# Altium PCB Cymometer.PcbDoc (part 1 of 2) (continued)
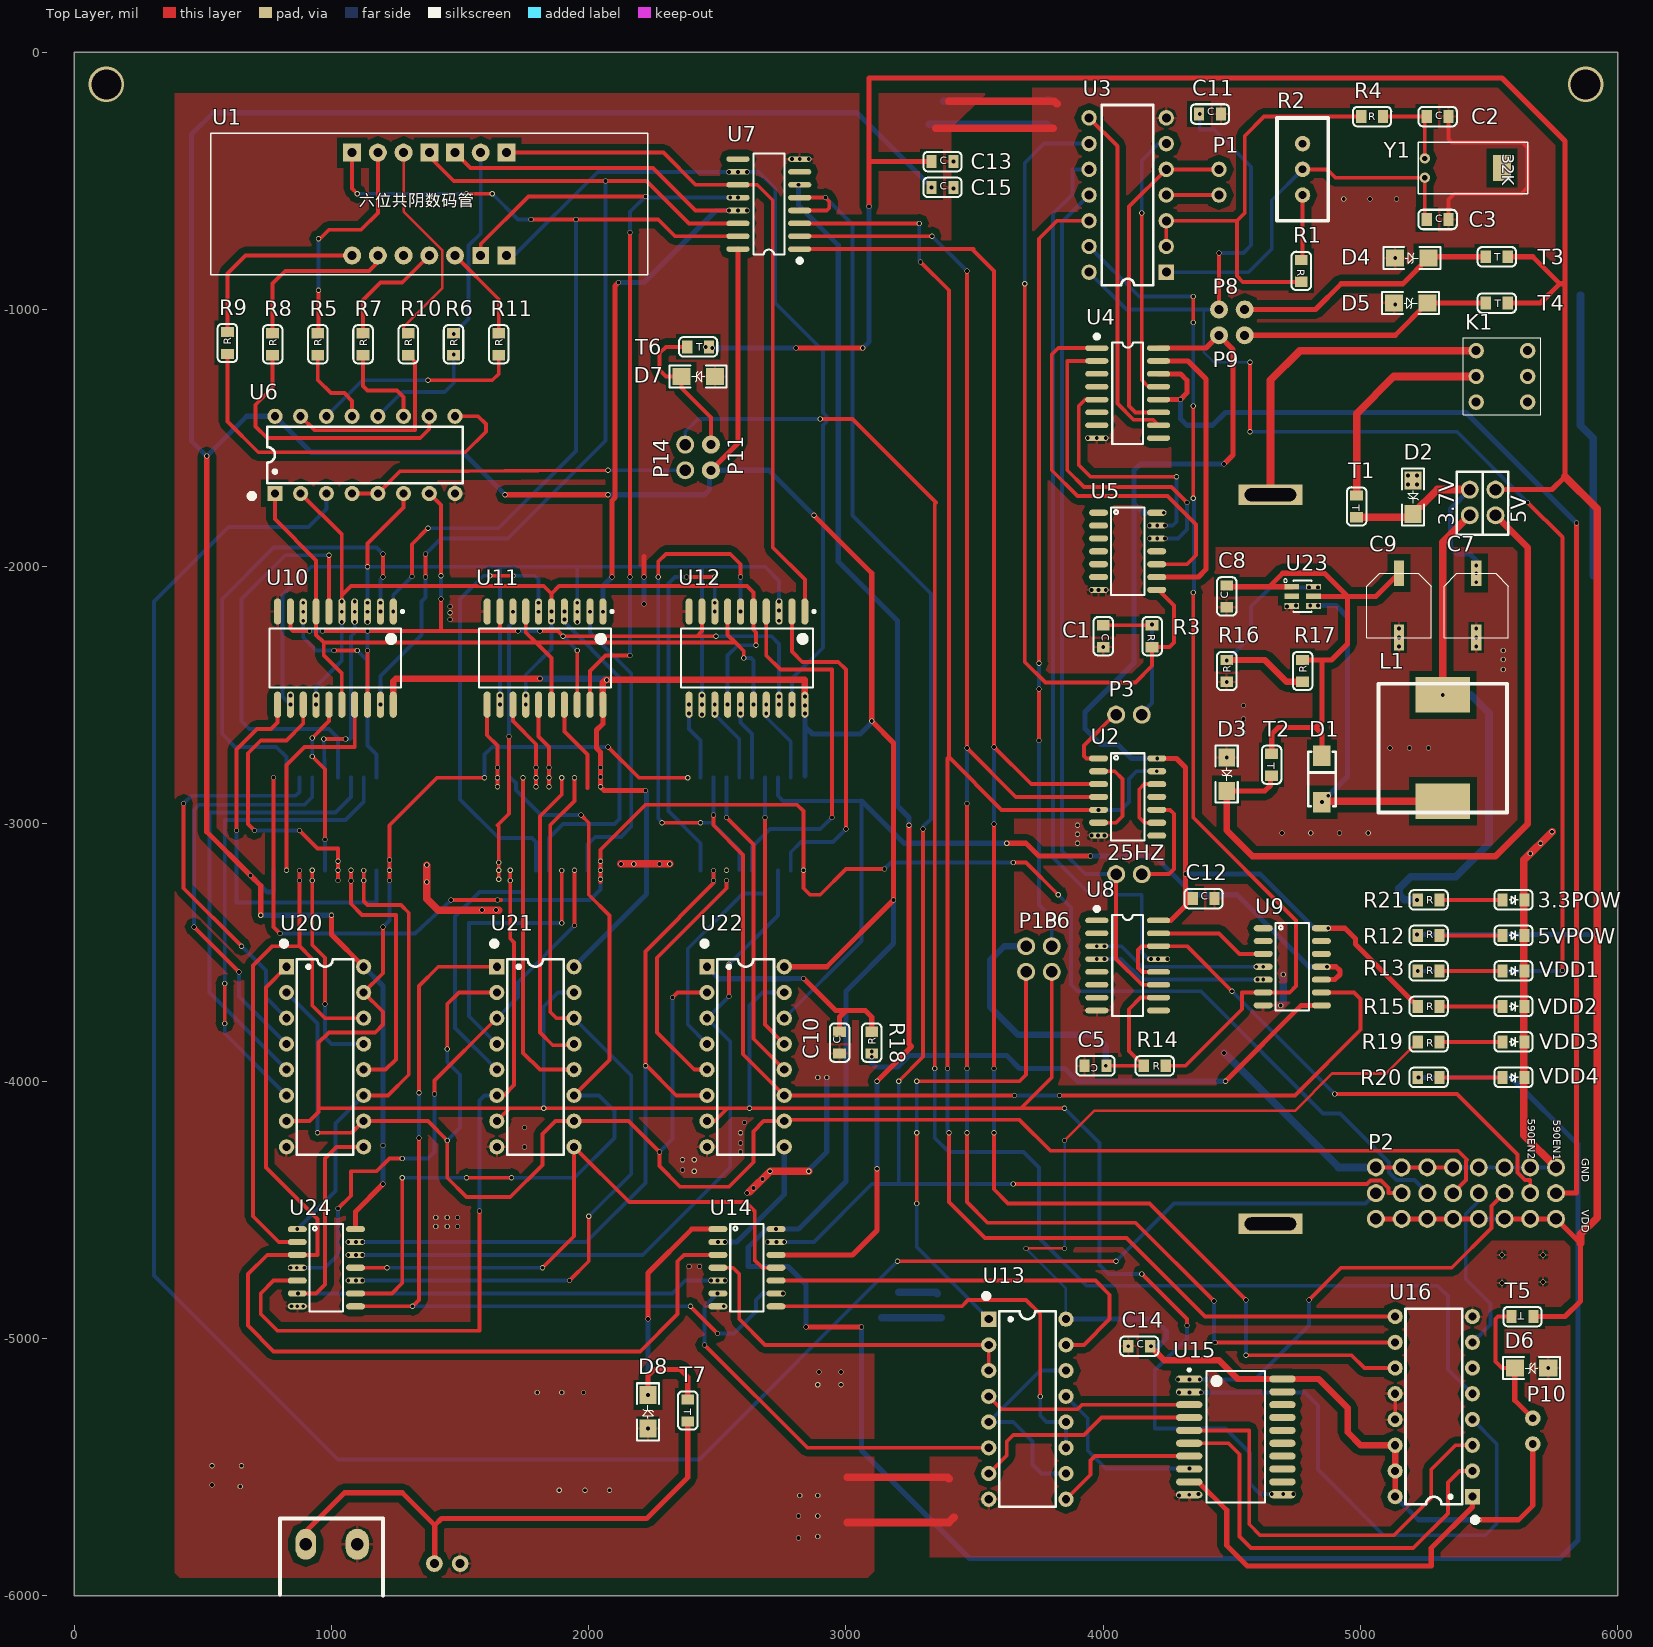
[diagram p0: Top Layer view]
## Footprints (in the part's own frame and the unit in brackets; to place one, negate y for a bottom-side part, rotate by r counter-clockwise, add the part's x,y. Pads: shape width x height; smd on the part's side, far side on the other; paste and mask are expansions set on the pad)
1N5819(SMA) [mm]
  rect 2x1.75 smd: A(-2.3,0) K(2.3,0)
  silkscreen extent -2.7,-1.35 2.7,1.35, body extent -2.5,-1.34 2.61,1.33, height 2.12
2P#1 [mil]
  round 70 hole 45: 1(-50,0) 2(50,0)
2P#2 [mil]
  round 60 hole 35: 1(-50,0) 2(50,0)
2P#3 [mil]
  round 70 hole 35: 1(-50,0) 2(50,0)
2P#4 [mil]
  round 60 hole 30: 1(-50,0) 2(50,0)
3P*8 [mil]
  round 70 hole 45: 1(-100,350) 2(-100,250) 3(-100,150) 4(-100,50) 5(-100,-50) 6(-100,-150) 7(-100,-250) 8(-100,-350) 9(0,-350) 10(0,-250) 11(0,-150) 12(0,-50) 13(0,50) 14(0,150) 15(0,250) 16(0,350) 17(100,350) 18(100,250) 19(100,150) 20(100,50) 21(100,-50) 22(100,-150) 23(100,-250) 24(100,-350)
6BIT_SEG [mil]
  round 70 hole 35: 1(-300,-200) 2(-200,-200) 3(-100,-200) 4(0,-200) 5(100,-200) 9(200,200) 12(-100,200) 13(-200,200)
  rect 65x65 hole 35: 6(200,-200)
  rect 70x70 hole 35: 7(300,-200) 8(300,200) 10(100,200) 11(0,200) 14(-300,200)
  silkscreen extent -850,-275 850,275
0805LED [mil]
  rect 40x50 smd: A(-42.5,0) K(42.5,0)
  silkscreen extent -75,-38 75,38
0805R [mil]
  rect 40x50 smd: 1(-42.5,0) 2(42.5,0)
  silkscreen extent -75,-38 75,38, body extent -39,-25 40,25, height 30
0805T [mil]
  rect 40x50 smd: 1(-32.5,5) 2(52.5,5)
  silkscreen extent -65,-33 85,43, body extent -29,-20 50,30, height 30
1206稳压管 [mil]
  rect 70x65 smd: A(-65,0) K(65,0)
  silkscreen extent -111,-43 111,43
Battry [mil]
  rect 80x250 hole 50 slot 200 at 90 deg: 1(0,0) 2(2834.65,0)
Cap1 [mil]
  rect 40x50 smd: 1(-42.5,0) 2(42.5,0)
  silkscreen extent -75,-38 75,38, body extent -39,-25 39,25, height 30
Cap2 [mil]
  rect 100x40 smd: A(125,0) K(-125,0)
  silkscreen extent -125,-125 125,125
CRYSTAL [mil]
  round 40 hole 20: 1(-37.5,0) 2(37.5,0)
  silkscreen extent -100,-25 100,400
DIP14 [mil]
  rect 60x60 hole 35: 1(-150,300)
  round 60 hole 35: 2(-150,200) 3(-150,100) 4(-150,0) 5(-150,-100) 6(-150,-200) 7(-150,-300) 8(150,-300) 9(150,-200) 10(150,-100) 11(150,0) 12(150,100) 13(150,200) 14(150,300)
  silkscreen extent -100,-350 100,350
DIP16 [mm]
  rect 1.5x1.5 hole 0.8: 1(-3.81,8.89)
  round 1.5 hole 0.8: 2(-3.81,6.35) 3(-3.81,3.81) 4(-3.81,1.27) 5(-3.81,-1.27) 6(-3.81,-3.81) 7(-3.81,-6.35) 8(-3.81,-8.89) 9(3.81,-8.89) 10(3.81,-6.35) 11(3.81,-3.81) 12(3.81,-1.27) 13(3.81,1.27) 14(3.81,3.81) 15(3.81,6.35) 16(3.81,8.89)
  silkscreen extent -4.32,-9.65 2.79,11.43, body extent -3.93,-9.65 3.92,9.65, height 4.5
FIBER [mm]
  rect 5.4x3.5 smd: 1(0,5.25) 2(0,-5.25)
  silkscreen extent -6.35,-6.35 6.35,6.35
Res2 [mil]
  round 60 hole 30: 1(-100,0) 2(100,0) 3(0,0)
  silkscreen extent -200,-100 200,100
SOP14 [mil]
  oval 74x24 smd: 1(-113,150) 2(-113,100) 3(-113,50) 4(-113,0) 5(-113,-50) 6(-113,-100) 7(-113,-150) 8(113,-150) 9(113,-100) 10(113,-50) 11(113,0) 12(113,50) 13(113,100) 14(113,150)
  silkscreen extent -65,-170 65,170, body extent -118,-171 118,171, height 61
SOP16 [mil]
  oval 90x21.65 smd: 1(-120,175) 2(-120,125) 3(-120,75) 4(-120,25) 5(-120,-25) 6(-120,-75) 7(-120,-125) 8(-120,-175) 9(120,-175) 10(120,-125) 11(120,-75) 12(120,-25) 13(120,25) 14(120,75) 15(120,125) 16(120,175)
  silkscreen extent -126,-197 60,226, body extent -118,-197 118,197, height 75
SOP20 [mm]
  oval 2.6x0.7 smd: 1(-4.6,5.715) 2(-4.6,4.445) 3(-4.6,3.175) 4(-4.6,1.905) 5(-4.6,0.635) 6(-4.6,-0.635) 7(-4.6,-1.905) 8(-4.6,-3.175) 9(-4.6,-4.445) 10(-4.6,-5.715) 11(4.6,-5.715) 12(4.6,-4.445) 13(4.6,-3.175) 14(4.6,-1.905) 15(4.6,-0.635) 16(4.6,0.635) 17(4.6,1.905) 18(4.6,3.175) 19(4.6,4.445) 20(4.6,5.715)
  silkscreen extent -4.72,-6.5 2.9,6.74, body extent -5.11,-6.4 5.19,6.4, height 2.65
Sop26 [mm]
  rect 0.55x1.45 smd: 1(0.95,1.075) 2(0,1.075) 3(-0.95,1.075) 4(-0.95,-1.075) 5(0,-1.075) 6(0.95,-1.075)
  silkscreen extent -1.55,-0.9 1.73,1.88, body extent -1.4,-1.19 1.4,1.23, height 1.08
Switch [mil]
  round 60 hole 35: 1(-100,100) 2(-100,0) 3(-100,-100) 4(100,-100) 5(100,0) 6(100,100)
  silkscreen extent -150,-150 150,150

## Part data
P1: library part 2P
R1 R3 R4 R12 R13 R14 R15 R16 R17 R18 R19 R20 R21: "电阻"
R5 R6 R7 R8 R9 R10 R11: library part RES, "电阻"
U1: "数码管"
U3: "CMOS非门"
U5: "4输入与门"
U6: "数码管译码器"
U7: "38译码器"
U10 U11 U12: "三态缓冲器"
U15 U17 U18 U19: "D触发器"
U20 U21 U22: "BCD计数器"
U24: "二输入与门"
Y1: library part CRYSTAL, "晶振"

## Free pads (board coordinates)
  rect 70x100 smd: 0(5550,-450)
  oval 90x120 hole 50: 2(1100,-5800)
  round 65 hole 35: 5(1400,-5875) 7(1500,-5875)
  oval 80x120 hole 50: 6(900,-5800)

## Via types
v1: diameter 20, hole 15, Top Layer to Bottom Layer, 529 vias
v2: diameter 137.8, hole 118.11, Top Layer to Bottom Layer, 2 vias

## Nets (pads, with @x,y where several pads share a name; then routed paths per layer and width w, separated by ;. In a path a pad name is that pad's centre, name@x,y a point inside that pad or via, vN(x,y) a via of type N, cw(c..) or ccw(c..) an arc to the next point about the centre after c; other vN are vias at no path point)
25HZ: 25HZ.2 U2.10 | length 421.5
  Top Layer w15: 25HZ.2@4150,-3195 4255,-3195 4275,-3175 4275,-2960 4260,-2945 U2.10@4208,-2945
138EN: P2.10 U7.4 U7.5 U14.13 | length 6918.7
  Top Layer w15: U7.4@2820,-615 2925,-615 2935,-605 2935,-580 v1(2920,-565) U7.5@2820,-565 ; v1(3205,-4000) 3300,-3905 v1(3300,-3020) ; v1(3650,-4400) 5025,-4400 5039.5,-4385.5 5080.5,-4385.5 5109.5,-4414.5 5109.5,-4435 P2.10@5160,-4435
  Bottom Layer w15: v1(2695,-4625) 2875,-4625 3100,-4400 3205,-4400 ; v1(2920,-565) 3025,-670 3025,-1800 3330,-2105 3330,-2980 3300,-3010 v1(3300,-3020) ; v1(3205,-4000) 3205,-4400 ; v1(3650,-4400) 3205,-4400
  other v1: 2730,-4625 2760,-4625
151EN: P2.13 U16.7 | length 669.5
  Bottom Layer w15: U16.7@5435,-5015 5505,-4945 5505,-4865 5409.5,-4769.5 5409.5,-4515.5 5460,-4465 P2.13@5460,-4435
248LT: P2.9 U6.3 | length 8974
  Top Layer w15: v1(3200,-4700) v1(4050,-4700)
  Bottom Layer w15: U6.3@980,-1715 980,-1775 910,-1845 600,-1845 310,-2135 310,-4755 1025,-5470 2430,-5470 v1(3200,-4700) ; v1(4050,-4700) 4275,-4475 5020,-4475 P2.9@5060,-4435
248RBI: P14.2 U6.4 U6.5 | length 1330.2
  Top Layer w15: U6.4@1080,-1715 U6.5@1180,-1715 1265,-1630 v1(2075,-1625)
  Bottom Layer w15: v1(2075,-1625) P14.2@2375,-1625
273CLK: P6.1 U15.11 U17.11 U18.11 U19.11 U20.7 U20.15 U21.7 U21.15 U22.7 U22.15 | length 9948.7
  Top Layer w15: U20.7@825,-4155 915,-4155 950,-4120 950,-4110 ; v1(1200,-3400) 1200,-3580 U20.15@1125,-3655 1200,-3730 1200,-3780 1170,-3810 990,-3810 950,-3850 950,-4110 ; v1(1225,-3220) v1(1225,-3180) v1(1225,-3140) 1225,-3005 1410,-2820 v1(1595,-2820) ; U21.7@1642.5,-4155 1692.5,-4105 ; v1(2075,-2700) 2195,-2820 v1(2385,-2820) ; U22.7@2460,-4155 2490,-4155 2540,-4105 ; P6.1@3790,-3580 3800,-3590 3800,-3985 3680,-4105 ; v1@3845,-4105 3680,-4105 ; v1(4150,-4750) 4325,-4925 v1(4325,-4950) ; 950,-4110 955,-4105 1692.5,-4105 ; 1692.5,-4105 2540,-4105 ; 2540,-4105 v1(2625,-4105) 3680,-4105
  Bottom Layer w15: v1(1200,-3400) 1225,-3375 v1(1225,-3220) ; v1(1595,-2820) U18.11@1595,-2818.9 1595,-2730 1625,-2700 v1(2075,-2700) ; v1(1825,-4105) 1825,-3710 1880,-3655 U21.15@1942.5,-3655 ; v1(2625,-4105) 2625,-3705 2675,-3655 U22.15@2760,-3655 ; v1(3850,-4105) 3985,-4240 3985,-4715 4020,-4750 v1(4150,-4750) ; v1(4325,-4950) 4325,-5000 4200,-5125 4200,-5350 4475,-5350 4570,-5445 4570,-5565 4610,-5605 v1(4740,-5605)
  other v1: 4655,-5605 4700,-5605
273CLR1: P2.14 U15.1 | length 1678.7
  Top Layer w15: v1(4800,-4850) 4925,-4725 5355,-4725 5509.5,-4570.5 5509.5,-4485.5 P2.14@5560,-4435
  Bottom Layer w15: v1(4290,-5160) 4590,-5160 4800,-4950 v1(4800,-4850)
  other v1: 4335,-5160 4375,-5160
273CLR2: P2.11 U17.1 U18.1 U19.1 | length 6500.5
  Top Layer w15: v1(775,-2818.9) 775,-3400 v1(800,-3425) ; v1(1465,-3295) v1(1645,-3295) 1660,-3295 ; 2045,-3225 v1(2045,-3215) v1(2045,-3180) v1(2045,-3145) 2045,-3100 2220,-2925 2810,-2925 2835,-2950 v1(2835,-3180) 2835,-3250 2860,-3275 2900,-3275 3000,-3175 v1(3150,-3175) ; v1(3650,-3150) 3700,-3150 v1(3825,-3275)
  Bottom Layer w15: v1(800,-3425) 1325,-3425 v1(1465,-3295) ; v1(1645,-3295) 2005,-3295 2045,-3255 v1(2045,-3215) ; v1(3150,-3175) 3175,-3150 v1(3650,-3150) ; v1(3825,-3275) 3875,-3325 3875,-3625 3900,-3650 4380,-3650 4855,-4125 4920,-4125 5110.5,-4315.5 5110.5,-4355.5 5139.5,-4384.5 5209.5,-4384.5 P2.11@5260,-4435
590EN1: P2.16 U4.12 U4.14 | length 4799.9
  Top Layer w20: U4.12@4215,-1350 v1(4300,-1350) 4325,-1325 4325,-1275 4300,-1250 U4.14@4215,-1250 ; P2.16@5760,-4435 5840,-4435 v1(5840,-1830)
  Bottom Layer w20: v1(4300,-1350) 4300,-1425 4325,-1450 4425,-1450 4475,-1400 5410,-1400 v1(5840,-1830)
590EN2: P2.15 U8.12 U8.14 | length 2155.7
  Top Layer w15: U8.12@4215,-3575 4150,-3575 4135,-3560 4135,-3490 4150,-3475 U8.14@4215,-3475 4325,-3475 v1(4500,-3650) ; v1(4900,-4050) 5375,-4050 5610.5,-4285.5 5610.5,-4355.5 5639.5,-4384.5 5660,-4384.5 P2.15@5660,-4435
  Bottom Layer w15: v1(4500,-3650) v1(4900,-4050)
800HZ: C1.2 P3.2 R3.1 | length 558.7
  Top Layer w15: C1.2@4000,-2227.4 4000.1,-2227.5 R3.1@4190,-2227.5
  Bottom Layer w15: P3.2@4145,-2575 4190,-2530 v1(4190,-2225)
4518EN: P2.12 U20.2 U20.10 U21.2 U21.10 U22.2 U22.10 | length 7562
  Top Layer w15: v1(945,-4200) 1080,-4200 U20.10@1125,-4155 1375,-4155 v1(1450,-4230) 1450,-4375 1525,-4450 1695,-4450 1820,-4325 1820,-4205 1870,-4155 U21.10@1942.5,-4155 2155,-4155 v1(2275,-4275) 2275,-4330 2355,-4410 2545,-4410 2640,-4315 2640,-4195 2680,-4155 U22.10@2760,-4155 2765,-4150 3675,-4150 3795,-4270 5379.5,-4270 5415,-4305.5 5410.5,-4310 5410.5,-4384.5 P2.12@5360,-4435 ; v1(1450,-3875) 1450,-3700 1495,-3655 U21.2@1642.5,-3655 ; v1(2325,-3675) 2345,-3655 U22.2@2460,-3655
  Bottom Layer w15: U20.2@825,-3655 945,-3775 v1(945,-4200) ; v1(1450,-4230) 1500,-4180 1500,-3975 1450,-3925 v1(1450,-3875) ; v1(2275,-4275) 2325,-4225 v1(2325,-3675)
A: U2.3 U7.1 U16.11 | length 6804
  Top Layer w15: U7.1@2820,-765 3495,-765 3495,-770 3575,-850 v1(3575,-2700) 3720,-2845 U2.3@3982,-2845 ; v1(3575,-4200) 3575,-4420 3630,-4475 4180,-4475 v1(4555,-4850) ; v1(3575,-3950) v1(3575,-3000) ; v1(4555,-5065) 4965,-5065 5015,-5115 U16.11@5135,-5115
  Bottom Layer w15: v1(3575,-4200) v1(3575,-3950) ; v1(3575,-3000) v1(3575,-2700) ; v1(4555,-5065) v1(4555,-4850)
B: U2.4 U7.2 U16.10 | length 6898.2
  Top Layer w15: U7.2@2820,-715 v1(3335,-715) ; v1(3470,-4200) 3470,-4470 3550,-4550 4125,-4550 v1(4430,-4855) ; v1(3470,-3950) v1(3470,-2920) ; v1(3470,-850) v1(3470,-2705) 3660,-2895 U2.4@3982,-2895 ; v1(4435,-5015) U16.10@5135,-5015
  Bottom Layer w15: v1(3335,-715) v1(3470,-850) ; v1(3470,-4200) v1(3470,-3950) ; v1(3470,-2920) v1(3470,-2705) ; v1(4430,-4855) 4430,-5010 v1(4435,-5015)
"BCD A": U6.7 U10.9 U10.18 U11.9 U11.18 U12.9 U12.18 | length 3534.2
  Top Layer w15: U10.9@840,-2173.9 840,-2240 850,-2250 v1(915,-2250) ; v1(965,-2250) v1(1140,-2250) 1425,-2250 ; U10.18@1140,-2536.1 v1(1140,-2325) ; U6.7@1380,-1715 1425,-1760 v1(1425,-2035) ; v1(1425,-2125) 1425,-2250 ; U11.9@1655,-2173.9 1655,-2235 1640,-2250 ; v1(1725,-2250) 1640,-2250 ; v1(1810,-2250) 1880,-2250 v1(1900,-2270) 2420,-2270 ; U11.18@1955,-2536.1 v1(1955,-2325) ; U12.9@2440,-2173.9 2440,-2250 2420,-2270 ; v1(2495,-2270) 2420,-2270 ; 1425,-2250 1640,-2250
  Bottom Layer w15: v1(915,-2250) v1(965,-2250) ; v1(1140,-2325) v1(1140,-2250) ; v1(1425,-2125) v1(1425,-2035) ; v1(1725,-2250) v1(1810,-2250) ; v1@1905,-2275 v1(1955,-2325) ; v1(2495,-2270) 2710,-2270 2740,-2300 v1(2740,-2535)
  other v1: 2740,-2505
"BCD B": U6.1 U10.7 U10.16 U11.7 U11.16 U12.7 U12.16 | length 3352.2
  Top Layer w15: U6.1@780,-1715 780,-1815 940,-1975 U10.7@940,-2173.9 940,-2265 970,-2295 ; U10.16@1040,-2536.1 1040,-2415 970,-2345 970,-2295 ; U11.7@1755,-2173.9 1755,-2255 1795,-2295 ; U11.16@1855,-2536.1 1855,-2355 1795,-2295 ; U12.7@2540,-2173.9 2540,-2265 2570,-2295 ; v1(2602.5,-2355) 2602.5,-2327.5 2570,-2295 ; 970,-2295 1795,-2295 ; 1795,-2295 2570,-2295
  Bottom Layer w15: v1(2602.5,-2355) 2630,-2355 2640,-2365 v1(2640,-2536.1)
"BCD C": U6.2 U10.5 U10.14 U11.5 U11.14 U12.5 U12.14 | length 3615.6
  Top Layer w15: U6.2@880,-1715 1040,-1875 1040,-2110 ; U10.5@1040,-2173.9 v1(1040,-2135) 1040,-2110 ; v1(1855,-2173.9) 1855,-2105 ; v1(2650,-2305) 2650,-2255 2640,-2245 U12.5@2640,-2173.9 2640,-2100 2615,-2075 1885,-2075 1855,-2105 ; 1040,-2110 1075,-2075 1825,-2075 1855,-2105
  Bottom Layer w15: v1(940,-2535) 940,-2465 1040,-2365 v1(1040,-2135) ; v1(1755,-2536.1) 1755,-2420 1855,-2320 v1(1855,-2210) v1(1855,-2173.9) ; v1(2540,-2536.1) 2540,-2345 2580,-2305 v1(2650,-2305)
  other v1: 940,-2500 1755,-2500 1040,-2215 1040,-2175
"BCD D": U6.6 U10.3 U10.12 U11.3 U11.12 U12.3 U12.12 | length 4474.9
  Top Layer w15: v1(1140,-2000) 1140,-1910 1280,-1770 U6.6@1280,-1715
  Bottom Layer w15: v1(840,-2535) 810,-2505 810,-2110 920,-2000 1655,-2000 ; v1(1140,-2215) v1(1140,-2000) ; v1(1655,-2536.1) 1655,-2000 ; v1(1955,-2215) 1955,-2000 ; v1(2440,-2575) 2440,-2000 ; v1(2740,-2210) 2740,-2055 2685,-2000 2440,-2000 ; 1655,-2000 1955,-2000 ; 1955,-2000 2440,-2000
  other v1: 2440,-2535 840,-2500 1655,-2500 2440,-2500 1140,-2175 1955,-2175 2740,-2170 1140,-2140 1955,-2140 2740,-2135
C: U2.5 U2.13 U7.3 U16.9 | length 7248.9
  Top Layer w15: U7.3@2820,-665 v1(3285,-665) ; v1(3290,-815) 3400,-925 3400,-2740 ; v1(3395,-3950) 3395,-2745 3400,-2740 ; v1(3400,-4200) 3400,-4470 3540,-4610 4090,-4610 4395,-4915 U16.9@5135,-4915 ; v1(3982,-2945) 3605,-2945 3400,-2740
  Bottom Layer w15: v1(3285,-665) 3285,-810 v1(3290,-815) ; v1(3395,-3950) 3395,-4195 v1(3400,-4200) ; v1(3982,-2945) 4070,-2945 4100,-2915 4100,-2825 4130,-2795 v1(4208,-2795)
CLK1: U14.3 U20.1 U24.3 | length 3880.9
  Top Layer w15: U20.1@825,-3555 745,-3635 745,-4335 945,-4535 945,-4675 U24.3@867,-4675 750,-4675 675,-4750 675,-4950 775,-5050 2200,-5050 2345,-4905 2345,-4700 2370,-4675 U14.3@2502,-4675
CLK2: U14.5 U20.9 U24.6 | length 2461.8
  Top Layer w15: U24.6@867,-4825 v1(870,-4825) 940,-4825 975,-4790 975,-4300 1020,-4255 U20.9@1125,-4255
  Bottom Layer w15: v1(870,-4825) 2325,-4825 2375,-4775 v1(2530,-4775)
  other v1: 2475,-4775 2500,-4775
CLK3: U14.9 U21.1 U24.8 | length 3390
  Top Layer w15: U24.8@1093,-4875 v1(1315,-4875) 1340,-4850 v1(1340,-4220) ; v1(1340,-4045) 1340,-3630 1415,-3555 U21.1@1642.5,-3555 ; v1(2395,-4875) v1(2500,-4980)
  Bottom Layer w15: v1(1315,-4875) v1(2395,-4875) ; v1@1340,-4225 v1(1340,-4220) v1(1340,-4045) ; v1(2500,-4980) 2565,-4980 2650,-4895 2650,-4850 2675,-4825 v1(2755,-4825)
CLK4: U14.11 U21.9 U24.11 | length 2339.2
  Top Layer w15: U24.11@1093,-4725 v1(1215,-4725) ; v1(1820,-4725) 1942.5,-4602.5 U21.9@1942.5,-4255 2157.5,-4470 2610,-4470 2645,-4505 2645,-4695 2675,-4725 U14.11@2728,-4725
  Bottom Layer w15: v1(1215,-4725) v1(1820,-4725)
E1: U1.14 U7.15 U10.1 | length 3695.7
  Top Layer w15: U1.14@1080,-390 1080,-530 v1(1100,-550) ; v1(1312.5,-2037.5) 1312.5,-1912.5 v1(1375,-1850) ; v1(1525,-550) v1(1625,-550) ; v1(1775,-650) 2270,-650 2335,-715 U7.15@2580,-715
  Bottom Layer w15: v1(1100,-550) v1(1525,-550) ; v1(1240,-2173.9) 1240,-2110 v1(1312.5,-2037.5) ; v1(1375,-1850) 1650,-1850 1950,-1550 v1(1950,-650) ; v1(1625,-550) 1725,-650 v1(1775,-650)
E2: U1.11 U7.14 U10.19 | length 3872.4
  Top Layer w15: v1(1365,-2040) v1(1365,-1950) ; U1.11@1380,-390 1380,-405 1475,-500 2225,-500 2390,-665 U7.14@2580,-665
  Bottom Layer w15: v1(1190,-2535) 1190,-2425 1350,-2265 1350,-2135 1365,-2120 v1(1365,-2040) ; v1(1365,-1950) 1425,-1890 1685,-1890 2065,-1510 v1(2065,-500)
E3: U1.10 U7.13 U11.1 | length 3114
  Top Layer w15: U1.10@1480,-390 1540,-450 2250,-450 2415,-615 v1(2580,-615)
  Top Layer w20: v1(2090,-2040) 2090,-1743.18 2102,-1731.18 2102,-908 v1(2115,-895)
  Bottom Layer w20: v1(2055,-2175) 2055,-2075 v1(2090,-2040) ; v1(2115,-895) 2215,-895 2495,-615 v1(2615,-615)
  other v1: 2545,-615
E4: U1.6 U7.12 U11.19 | length 3244.5
  Top Layer w15: U1.6@1580,-790 1580,-745 1765,-560 v1(2220,-560) ; U11.19@2005,-2536.1 2005,-2405 2065,-2345 v1(2160,-2345) ; v1(2160,-2040) v1(2160,-700)
  Bottom Layer w15: v1(2160,-2345) v1(2160,-2040) ; v1(2160,-700) 2160,-620 v1(2220,-560) 2225,-565 v1(2550,-565) v1(2580,-565)
E5: U1.8 U7.11 U12.1 | length 2762.3
  Top Layer w15: U1.8@1680,-390 2290,-390 2415,-515 U7.11@2580,-515 2655,-515 2715,-575 2715,-1925 2840,-2050 U12.1@2840,-2173.9
E6: U1.7 U7.10 U12.19 | length 3351
  Bottom Layer w15: U1.7@1680,-790 1710,-790 2035,-465 v1(2545,-465) v1(2580,-465) v1(2615,-465) 2660,-465 2725,-530 2725,-975 2910,-1160 2910,-1400.35 2924.5,-1414.85 2924.5,-1435.15 2910,-1449.65 2910,-2315 2790,-2435 v1(2790,-2536.1)
GND: 3.3POW.K 5VPOW.K C1.1 C2.1 C3.1 C5.2 C7.K C8.1 C9.K C10.1 C11.1 C12.1 C13.1 C14.1 C15.1 D2.A D3.A D4.A D5.A D6.A D7.A D8.A P2.1 P2.2 P2.3 P2.4 P2.5 P2.6 P2.7 P2.8 pad.2 pad.7 R16.1 U2.7 U3.7 U4.8 U5.7 U6.8 U7.8 U8.8 U9.7 U10.10 U11.10 U12.10 U13.8 U14.7 U15.10 U16.8 U16.12 U16.13 U17.10 U18.10 U19.10 U20.8 U21.8 U22.8 U23.3 U24.7 V1.2 VDD1.K VDD2.K VDD3.K VDD4.K | length 9605.3
  Top Layer w15: P2.8@5060,-4335 P2.7@5160,-4335 P2.6@5260,-4335 P2.5@5360,-4335 ; U16.13@5135,-5315 U16.12@5135,-5215 ; C3.1@5342.5,-650 5342.5,-572.5 5365,-550 5625,-550 5650,-525 5650,-370 5630,-350 5355,-350 5342.5,-337.5 C2.1@5342.5,-250
  Top Layer w20: v1(2215,-2040) 2215,-1960
  Top Layer w30: v1(1370,-3160) v1(1370,-3225) 1370,-3290 1415,-3335 v1(1585,-3335) 1650,-3335 ; v1(2125,-3155) v1(2315,-3155) ; 2625,-4430 v1(2705,-4350) v1(2855,-4350) ; 3005,-5715 3400,-5715 3420,-5695 ; 3005,-5540 3395,-5540 3400,-5545 ; 3350,-295 3805,-295 ; 3400,-190 3810,-190 3820,-200 ; v1(5745,-3030) 5635,-3140 5635,-4210 P2.1@5760,-4335
  Bottom Layer w15: v1@2850,-4350 v1(2855,-4350) ; P2.5@5360,-4335 P2.4@5460,-4335 P2.3@5560,-4335 P2.2@5660,-4335 P2.1@5760,-4335
  Bottom Layer w20: v1(2215,-2145) v1(2215,-2040) ; v1@2850,-4350 2925,-4275 v1(2925,-3985)
  Bottom Layer w30: 3140,-4920 3370,-4920 ; 3205,-4820 3350,-4820 3355,-4825 ; 3325,-280 3780,-280 3790,-290 ; 3380,-190 3780,-190 3785,-185 ; v1(4470,-3890) 4915,-4335 P2.8@5060,-4335 ; v1(4690,-3705) 4700,-3695 v1(4700,-3585) ; 5855,-945 5855,-1450 5905,-1500 5905,-2035
  other v1: 2815,-5775 2890,-5770 2815,-5690 2890,-5690 2820,-5610 2890,-5610 4295,-5610 4334.31,-5607.44 4370,-5605 1885,-5590 1985,-5590 2080,-5590 645,-5575 535,-5570 535,-5495 650,-5495 2230,-5350 1800,-5210 1895,-5210 1980,-5210 2890,-5180 2980,-5180 2895,-5130 2980,-5130 5730,-5115 4097.5,-5030 845,-4875 867,-4875 890,-4875 2525,-4875 5550,-4785 5710,-4780 2390,-4720 2430,-4720 5550,-4675 5710,-4675 1405,-4565 1450,-4565 1490,-4565 1405,-4530 1450,-4530 1490,-4530 2615,-4435 2640,-4415 2675,-4380 2410,-4350 2365,-4345 2365,-4305 2410,-4305 2590,-4275 1750,-4255 2590,-4240 2590,-4200 1750,-4180 2605,-4160 2890,-3985 1640,-3335 2175,-3155 2275,-3155 5660,-3115 3900,-3075 5700,-3075 3955,-3045 3980,-3045 4005,-3045 3900,-3040 4695,-3035 4806.67,-3035 4918.33,-3035 5030,-3035 3900,-3005 4480,-2741.08 5115,-2705 5190,-2705 5265,-2705 4545,-2645 4545,-2592.5 4545,-2540 4480,-2447.5 5555,-2400 5555,-2360 5555,-2325 4000,-2312.4 5150,-2310 5450,-2310 5150,-2275 5450,-2275 5150,-2240 5450,-2240 1460,-2205 1460.18,-2178.9 1460,-2155 4715,-2155 4750,-2150 3955,-2090 3982,-2090 4010,-2090 5185,-1680 5220,-1680 5185,-1645 5220,-1645 3940,-1500 3975,-1500 4010,-1500 5135,-980 5135,-800 4935,-570 5037.5,-570 5140,-570 3417.5,-530 3417.5,-425 2790,-415 2820,-415 2855,-415
IN: D8.K T7.1 U14.1 | length 1157.7
  Top Layer w20: v1(2230,-5220) 2230,-5145 2255,-5120 2355,-5120 2385,-5150 T7.1@2385,-5237.5 ; v1(2230,-4925) 2230,-4745 2400,-4575 U14.1@2502,-4575
  Bottom Layer w20: v1(2230,-5220) v1(2230,-4925)
JW1_1: U17.13 U20.11 U24.1 | length 1777.5
  Top Layer w15: U20.11@1125,-4055 1220,-4055 1300,-3975 1300,-3345 1270,-3315 1140,-3315 1125,-3300 v1(1125,-3181.1)
  Bottom Layer w15: v1(867,-4575) 1015,-4427 1015,-4165 U20.11@1125,-4055
  other v1: 1125,-3220
JW1_2: U17.18 U20.14 U24.2 | length 2164.8
  Top Layer w15: U24.2@867,-4625 795,-4625 695,-4525 695,-3550 770,-3475 875,-3475 ; v1(875,-3181.1) v1(875,-3220) 875,-3475 ; U20.14@1125,-3755 975,-3755 925,-3705 925,-3525 875,-3475
JW2_1: U18.3 U21.3 U24.4 | length 2228.2
  Top Layer w15: v1(1025,-4495) 1075,-4445 1075,-4350 1175,-4350 1225,-4300 v1(1275,-4300) ; v1(1400,-4050) 1400,-3997.5 U21.3@1642.5,-3755 ; v1(1945,-3395) v1(1945,-3180)
  Bottom Layer w15: v1(840,-4725) 975,-4725 1025,-4675 v1(1025,-4495) ; v1(1275,-4300) 1375,-4300 1400,-4275 v1(1400,-4050) ; U21.3@1642.5,-3755 1725,-3672.5 1725,-3615 v1(1945,-3395)
  other v1: 865,-4725 895,-4725
JW2_2: U18.8 U21.6 U24.5 | length 3015.7
  Top Layer w15: U24.5@867,-4775 775,-4775 725,-4825 725,-4905 790,-4970 1575,-4970 v1(1575,-4505) ; U21.6@1642.5,-4055 1670,-4055 1710,-4015 1710,-3460 1695,-3445 v1(1695,-3180)
  Bottom Layer w15: v1(1575,-4505) 1575,-4075 1595,-4055 U21.6@1642.5,-4055
  other v1: 1695,-3220
JW3_1: U18.13 U21.11 U24.9 | length 3329.2
  Top Layer w15: U24.9@1093,-4825 1235,-4825 1275,-4785 v1(1275,-4375) ; v1(1525,-4375) v1(1700,-4375) ; U21.11@1942.5,-4055 2080,-3917.5 2080,-3355 2000,-3275 2000,-2995 v1(1970,-2965)
  Bottom Layer w15: v1(1275,-4375) v1(1525,-4375) ; U18.13@1695,-2818.9 1716.72,-2840.62 1716.72,-2868.01 1813.71,-2965 v1(1970,-2965) ; v1(1700,-4375) 1945,-4375 2100,-4220 2100,-4115 2040,-4055 U21.11@1942.5,-4055
JW3_2: U18.18 U21.14 U24.10 | length 3123.8
  Top Layer w15: v1(1925,-4775) 2000,-4700 v1(2000,-4525) ; U21.14@1942.5,-3755 1875,-3755 1850,-3730 1850,-3005 1945,-2910 v1(1945,-2820)
  Bottom Layer w15: v1(1065,-4775) v1(1925,-4775) ; U21.14@1942.5,-3755 2165,-3977.5 2165,-4360 v1(2000,-4525)
  other v1: 1095,-4775 1120,-4775
JW4_1: U19.3 U22.3 U24.12 | length 2930.9
  Top Layer w15: v1(2545,-3670) v1(2545,-3545)
  Bottom Layer w15: v1(1065,-4675) 2210,-4675 2550,-4335 2550,-3845 U22.3@2460,-3755 v1(2545,-3670) ; v1(2545,-3545) 2735,-3355 U19.3@2735,-3181.1
  other v1: 1095,-4675 1120,-4675
JW4_2: U19.8 U22.6 U24.13 | length 2858.6
  Top Layer w15: U22.6@2460,-4055 2340,-4055 2220,-3935 2220,-3495 2485,-3230 v1(2485,-3181.1)
  Bottom Layer w15: v1(1065,-4625) 1990,-4625 2220,-4395 v1(2220,-3940)
  other v1: 1095,-4625 1120,-4625 2485,-3220
JW5_1: U9.9 U19.13 U22.11 | length 3978
  Top Layer w15: v1(2485,-2965) 2485,-3005 2600,-3120 2600,-3895 U22.11@2760,-4055 v1(3655,-4055) ; v1(3830,-4055) 4745,-4055 5000,-3800 5000,-3680 4975,-3655 U9.9@4848,-3655
  Bottom Layer w15: v1(2485,-2965) U19.13@2485,-2818.9 ; v1(3655,-4055) v1(3830,-4055)
JW5_2: U9.10 U9.11 U19.18 U22.14 | length 3624.3
  Top Layer w20: v1(3625,-3075) 3700,-3075 3750,-3125 v1(3950,-3125) ; U9.10@4848,-3605 4900,-3605 4920,-3585 4920,-3570 4905,-3555 v1(4870,-3555) U9.11@4848,-3555
  Bottom Layer w15: U19.18@2735,-2818.9 2735,-2890 2755,-2910 3060,-2910 3060,-3455 U22.14@2760,-3755
  Bottom Layer w20: 3060,-2910 3225,-3075 v1(3625,-3075) ; v1(3950,-3125) 4200,-3125 4350,-3275 4520,-3275 4800,-3555 v1(4870,-3555)
NetC2_2: C2.2 R4.1 Y1.1 | length 335.6
  Top Layer w15: R4.1@5087.5,-250 C2.2@5257.5,-250 5250,-257.5 Y1.1@5250,-412.5
NetC3_2: C3.2 R2.3 U3.1 Y1.2 | length 1461.1
  Top Layer w15: R2.3@4775,-455 4870,-455 4902.5,-487.5 Y1.2@5250,-487.5 5250,-642.5 C3.2@5257.5,-650
  Bottom Layer w15: U3.1@4245,-855 4565,-855 4655,-765 4655,-575 R2.3@4775,-455
NetC5_1: C5.1 P13.2 R14.1 U8.10 | length 1454.4
  Top Layer w15: C5.1@4012.5,-3940 R14.1@4157.5,-3940 4100,-3882.5 4100,-3720 4145,-3675 U8.10@4215,-3675
  Bottom Layer w25: P13.2@3700,-3475 3615,-3475 3560,-3530 3560,-3710 3670,-3820 3965,-3820 4010,-3865 v1(4010,-3940)
NetC8_2: C8.2 C9.A D1.K R17.2 T2.1 U23.1 U23.5 | length 2025.1
  Top Layer w20: C8.2@4480,-2072.5 4485.1,-2077.6 4645,-2077.6 ; T2.1@4654.43,-2727.18 4655,-2726.61 4655,-2650 4680,-2625 4825,-2625 ; U23.1@4732.68,-2077.6 4645,-2077.6 ; R17.2@4775,-2362.5 4850,-2362.5 ; U23.5@4817.32,-2115 4950,-2115 ; D1.K@4850,-2734.45 4850,-2650 4825,-2625 ; C9.A@5150,-2025 5060,-2115 4950,-2115 ; 4645,-2077.6 4697.6,-2025 4860,-2025 4950,-2115 ; 4825,-2625 4850,-2600 4850,-2362.5 ; 4850,-2362.5 4887.5,-2362.5 4950,-2300 4950,-2115
NetC10_2: C10.2 R18.2 U22.1 | length 872.4
  Top Layer w20: v1(2835,-3600) 2960,-3725 3000,-3725 ; C10.2@2975,-3807.5 2975,-3750 3000,-3725 ; R18.2@3100,-3807.5 3100,-3750 3075,-3725 3000,-3725
  Bottom Layer w20: U22.1@2460,-3555 2506.53,-3601.53 2779.27,-3601.53 2780.8,-3600 v1(2835,-3600)
NetD1_A: D1.A L1.2 U23.4 | length 1396.7
  Top Layer w30: D1.A@4850,-2915.55 4853.86,-2911.69 L1.2@5320,-2911.69
  Bottom Layer w20: v1(4805,-2150) 4905,-2150 4950,-2195 4950,-2815 v1(4850,-2915)
  other v1: 4875,-2890 4835,-2150
NetD3_K: 5V.1 D3.K T2.2 | length 2887.3
  Top Layer w20: D3.K@4480,-2871.08 4628.92,-2871.08 4650,-2850 4650,-2816.61 T2.2@4654.43,-2812.18
  Top Layer w25: D3.K@4480,-2871.08 4480,-3025 4580,-3125 5525,-3125 5650,-3000 5650,-1925 5V.1@5525,-1800
NetD4_K: D4.K P8.1 T3.2 | length 1022.4
  Top Layer w20: P8.1@4550,-1000 4825,-1000 4925,-900 5165,-900 D4.K@5265,-800 5270,-795 T3.2@5487.5,-795
NetD5_K: D5.K P9.1 T4.1 | length 989.3
  Top Layer w20: P9.1@4550,-1100 5135,-1100 D5.K@5260,-975 T4.1@5487.5,-975